# Altium PCB PCBSensorboard.PcbDoc (part 2 of 2)
Units mm, origin at the board's own origin, x right, y up, seen from the top; angles counter-clockwise.
Board outline 90 x 90 mm, 4 copper layers (Top Layer, GND, VDD, Bottom Layer), stack 1.369 mm thick; 83 components, 72 nets, 342 pads, 169 vias.
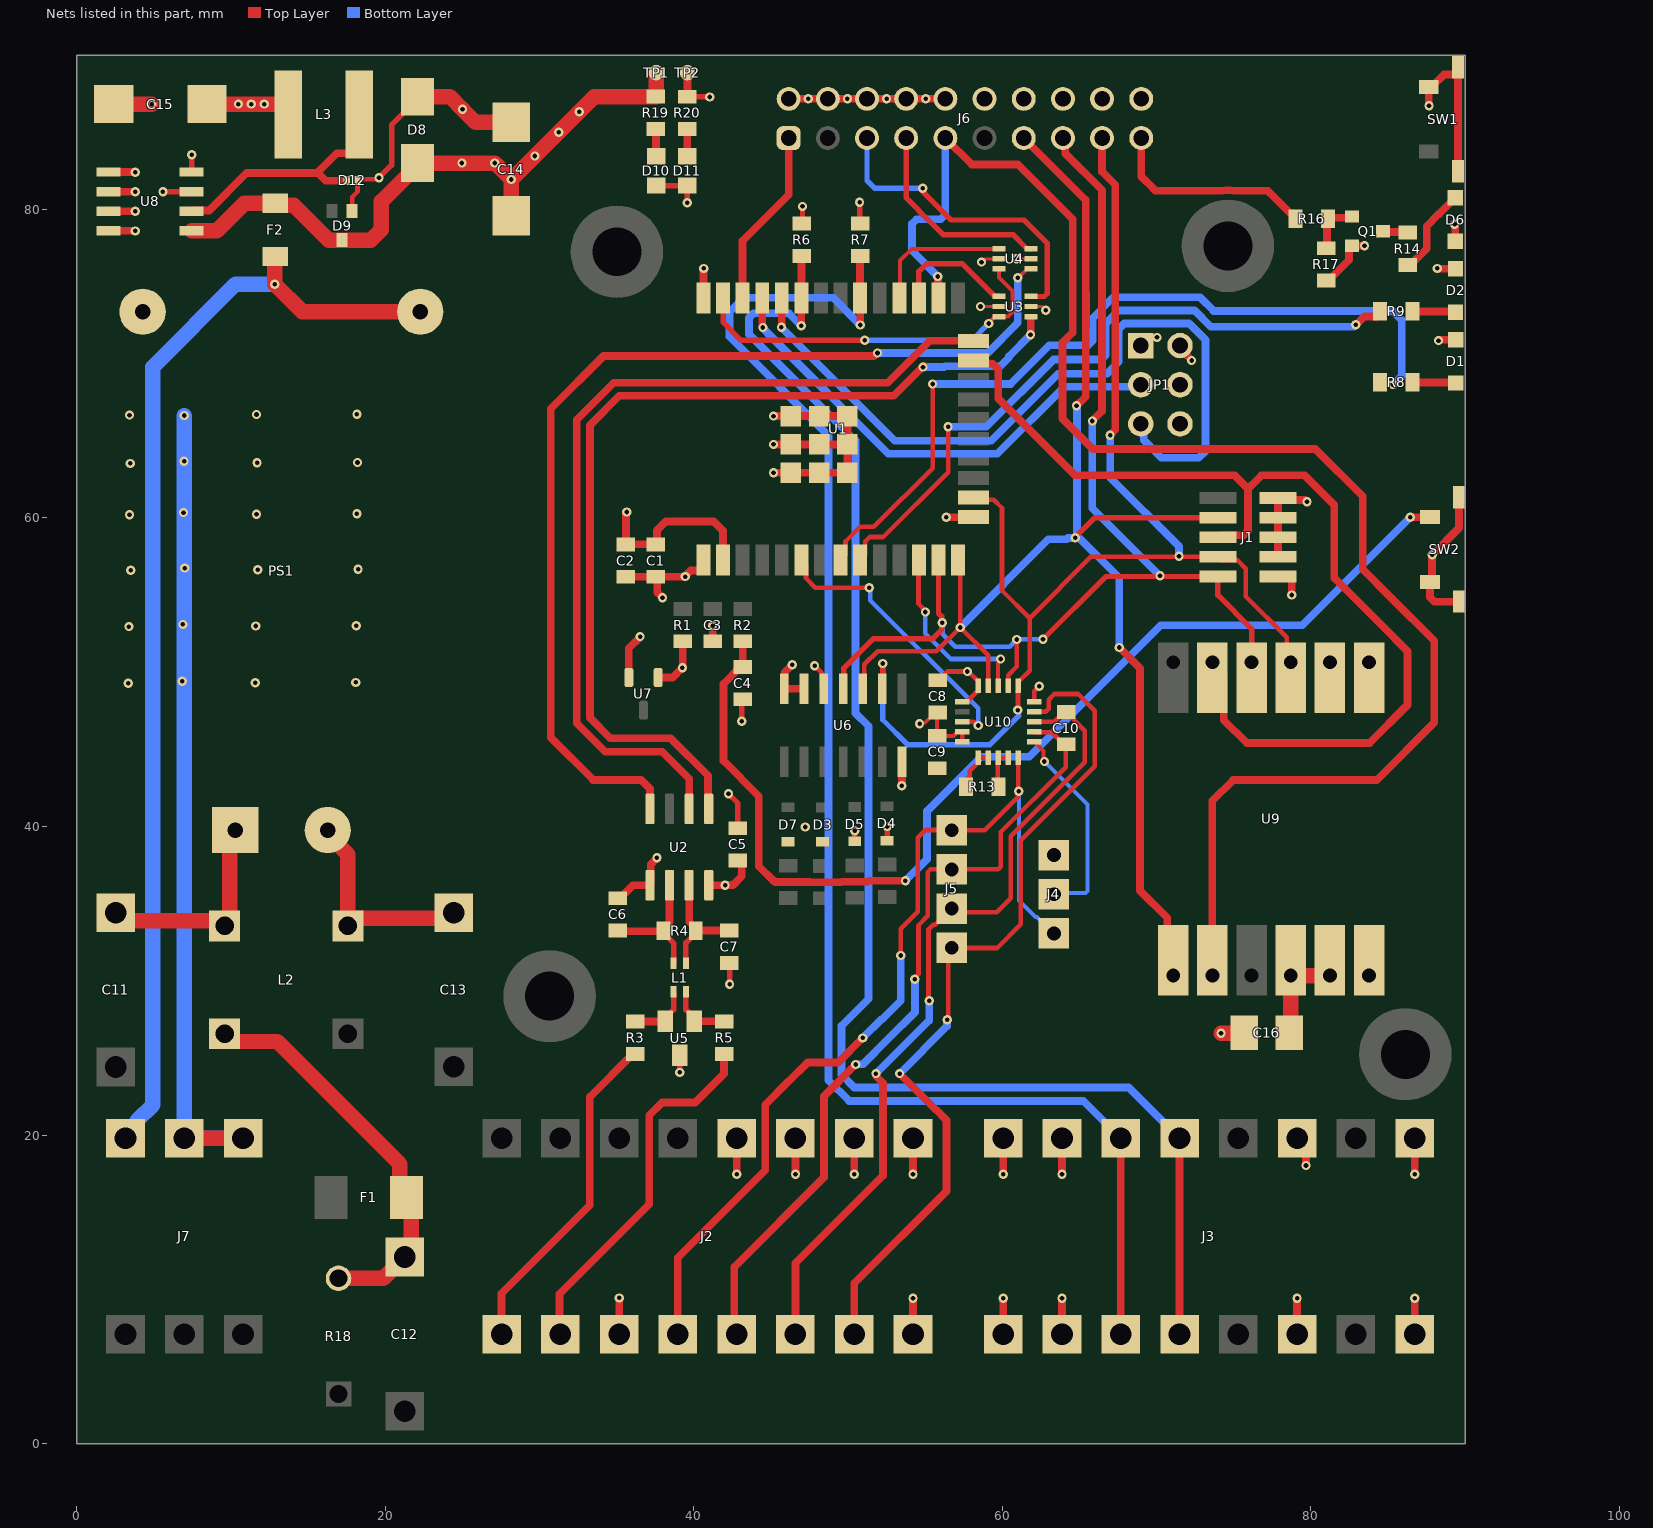
[diagram p4: the nets of this part, all layers, seen from the top]

## Via types
v1: diameter 0.6, hole 0.3, Top Layer to Bottom Layer, tented both sides, 169 vias

## Nets (pads, with @x,y where several pads share a name; then routed paths per layer and width w, separated by ;. In a path a pad name is that pad's centre, name@x,y a point inside that pad or via, vN(x,y) a via of type N, cw(c..) or ccw(c..) an arc to the next point about the centre after c; other vN are vias at no path point) (continued)
ESP32-U2-DTR: J6.9 U1.26 U9.2 | length 102.5
  Top Layer w0.5: v1(55.8,75.655) 55.819,75.636 55.819,74.306 U1.26@55.855,74.27 ; J6.9@56.3,84.63 58.01,82.92 61,82.92 64.55,79.37 64.55,74.205 64.56,74.195 64.56,72.745 64.55,72.735 64.55,72.03 63.89,71.37 63.89,66.44 65.86,64.47 80.284,64.47 83.35,61.404 83.35,56.68 85.216,54.814 87.99,52.04 87.99,46.74 84.26,43.01 74.95,43.01 73.61,41.67 U9.2@73.61,30.33
  Bottom Layer w0.5: v1(55.8,75.655) 54.14,77.315 54.14,79.077 54.433,79.37 56.007,79.37 56.3,79.663 J6.9@56.3,84.63
ESP32-U2-RTS: J6.1 U1.36 | length 11.6
  Top Layer w0.5: U1.36@43.155,74.27 43.155,77.975 46.14,80.96 J6.1@46.14,84.63
ESP32-U2-RXD: J6.5 U3.3 | length 20.7
  Top Layer w0.35: v1(54.836,81.379) 54.836,81.134 56.65,79.32 61.396,79.32 62.915,77.801 62.915,74.565 62.71,74.36 U3.3@61.851,74.36
  Bottom Layer w0.35: J6.5@51.22,84.63 51.22,81.87 51.711,81.379 v1(54.836,81.379)
ESP32-U2-TXD: J6.7 U4.3 | length 13.3
  Top Layer w0.35: J6.7@53.76,84.63 53.76,80.767 54.572,79.955 54.572,79.943 56.145,78.37 60.689,78.37 61.609,77.45 U4.3@61.85,77.45
FORCE2: J4.2 U10.FORCE2 | length 13.4
  Top Layer w0.254: U10.FORCE2@62.066,45.496 62.666,44.896 62.666,44.267 v1(62.718,44.215)
  Bottom Layer w0.254: v1(62.718,44.215) 65.52,41.413 65.52,35.829 65.371,35.68 63.4,35.68 J4.2@63.33,35.61
FORCE+: J2.12 J4.3 J5.4 U10.FORCE+ | length 59.9
  Top Layer w0.3: v1(53.41,31.64) 53.41,33.376 54.508,34.475 54.508,39.278 55,39.77 J5.4@56.36,39.77 ; J5.4@56.71,39.76 58.86,39.76 61.005,41.905 61.005,42.224 v1(61.062,42.281) ; v1@61.02,42.281 U10.FORCE+@61.02,44.45
  Top Layer w0.5: J2.12@38.96,7.08 38.96,12.05 44.62,17.71 44.62,21.97 46.13,23.48 46.15,23.48 47.37,24.7 49.347,24.7 v1(50.944,26.296)
  Bottom Layer w0.254: v1(61.062,42.281) 61.062,35.212 62.132,34.142 62.248,34.142 63.321,33.07 J4.3@63.33,33.07
  Bottom Layer w0.5: v1(50.944,26.296) 52.16,27.513 52.213,27.513 53.41,28.71 v1(53.41,31.64)
FORCE-: J2.15 J5.1 U10.FORCE- | length 56.4
  Top Layer w0.3: v1(56.42,27.48) 56.477,27.537 56.477,31.907 J5.1@56.71,32.14 ; J5.1@56.71,32.122 59.652,32.122 61.19,33.66 61.19,39.105 65.99,43.905 65.99,47.51 64.91,48.59 63.36,48.59 62.991,48.221 62.991,47.621 62.816,47.446 U10.FORCE-@62.066,47.446
  Top Layer w0.5: J2.15@50.39,7.08 50.39,10.38 56.37,16.36 56.37,20.959 55.699,21.63 55.681,21.63 v1(53.331,23.98)
  Bottom Layer w0.5: v1(53.331,23.98) 56.401,27.05 56.401,27.461 v1(56.42,27.48)
GND: C1.1 C2.1 C3.1 C4.1 C5.2 C6.2 C7.2 C8.2 C9.2 C14.2 C15.2 C16.2 D1.2 D2.2 D3.1 D4.1 D5.1 D7.1 D8.1 D9.1 D10.2 D11.2 D12.1 J1.3 J1.5 J1.7 J1.9 J2.8 J2.11 J2.16 J3.2 J3.6 J3.8 J3.10 J3.14 J3.16 J4.1 J6.12 J6.14 J6.16 J6.18 J6.20 J7.2 J7.3 JP1.1 JP1.6 PS1.3 Q1.2 R17.2 SW1.2 SW1.3 SW1.4 SW2.1 SW2.3 SW2.4 U1.1 U1.15 U1.38 U1.39 U2.5 U3.2 U4.2 U5.3 U6.7 U6.12 U7.2 U8.4 U8.5 U8.6 U8.7 U8.8 U9.6 U9.7 U9.8 U10.DGND U10.GND1 U10.GND2 | length 197.5
  Top Layer w0.2: v1(60.91,76.8) U4.2@61.85,76.8 ; U3.2@61.851,73.71 62.57,73.71 v1(62.81,73.47)
  Top Layer w0.3: D9.1@17.84,79.91 17.84,80.81 18.19,81.16 D12.1@18.19,81.88 18.19,81.91 18.24,81.96 19.399,81.96 19.499,82.06 v1(19.58,82.06) ; C14.2@28.065,85.55 C14.2@28.16,85.645 ; v1(47.82,50.424) 48.277,49.967 48.277,49.054 U6.12@48.406,48.924 ; C8.2@55.79,49.48 55.94,49.48 56.24,49.78 56.24,49.874 56.416,50.05 57.79,50.05 58.42,49.42 58.42,48.82 U10.GND1@57.721,48.121 ; U10.GND1@57.396,48.096 57.696,48.096 U10.GND1@57.721,48.121 ; U10.GND2@62.066,48.096 62.066,48.776 v1(62.39,49.1) ; JP1.1@68.97,71.18 69.495,71.705 v1(70.023,71.705)
  Top Layer w0.35: U8.4@7.44,82.425 v1(7.44,83.54) ; v1(19.58,82.06) 20.399,82.879 20.399,85.489 22.07,87.16 D8.1@22.07,87.31 ; D10.2@37.55,81.55 D11.2@39.57,81.55 v1(39.57,80.43) ; v1(39.08,24.06) U5.3@39.08,25.18 ; v1(42.24,42.12) 42.84,41.52 C5.2@42.84,39.89 ; C7.2@42.3,31.16 42.31,31.15 v1(42.31,29.77) ; v1(43.1,46.82) 43.1,48.18 C4.1@43.17,48.25 ; v1(50.42,39.722) 50.423,39.719 50.423,39.038 D5.1@50.426,39.035 ; D4.1@52.506,39.088 52.52,39.101 52.52,39.986 v1(52.533,39.999) ; C16.2@75.63,26.59 C16.2@75.67,26.63
  Top Layer w0.5: U8.8@2.04,78.615 v1@3.785,78.615 ; U8.7@2.04,79.885 v1@3.785,79.885 ; U8.6@2.04,81.155 v1@3.785,81.155 ; U8.5@2.04,82.425 3.785,82.425 v1(3.79,82.42) ; C15.2@2.38,86.83 C15.2@2.4,86.81 ; C6.2@35.06,35.35 35.21,35.35 36.05,36.19 U2.5@37.15,36.19 37.195,36.235 37.195,37.538 37.6,37.943 v1(37.6,37.97) ; J2.11@35.15,7.08 35.16,7.09 v1(35.16,9.44) ; C2.1@35.59,56.19 C1.1@37.54,56.19 ; U7.2@35.78,49.66 35.78,51.555 36.51,52.285 v1(36.51,52.31) ; v1(37.96,54.83) 37.96,54.843 37.63,55.173 37.63,56.1 C1.1@37.54,56.19 ; U1.1@40.615,57.27 40.615,56.793 40.415,56.593 39.782,56.593 39.458,56.269 39.458,56.221 v1(39.439,56.201) 39.433,56.196 37.546,56.196 C1.1@37.54,56.19 ; U1.38@40.615,74.27 40.615,76.165 v1(40.63,76.18) ; v1(41.21,53.01) 41.215,53.005 41.215,52.015 C3.1@41.22,52.01 ; v1(45.16,62.935) U1.39@46.28,62.935 U1.39@48.115,62.935 U1.39@49.95,62.935 U1.39@49.95,64.77 ; v1(45.16,64.77) U1.39@46.28,64.77 U1.39@48.115,64.77 U1.39@49.95,64.77 ; v1(45.16,66.605) U1.39@46.28,66.605 U1.39@48.115,66.605 U1.39@49.95,66.605 U1.39@49.95,64.77 ; v1(53.48,42.65) 53.483,42.653 53.483,44.197 U6.7@53.486,44.2 ; J2.16@54.2,7.08 v1(54.2,9.41) ; v1(54.2,17.45) J2.8@54.2,19.78 ; v1(56.35,60.04) 56.357,60.047 58.117,60.047 U1.15@58.125,60.04 ; J3.10@63.86,7.08 v1(63.86,9.41) ; v1(63.86,17.45) J3.2@63.86,19.78 ; J1.3@77.86,57.48 J1.5@77.86,58.75 J1.7@77.86,60.02 J1.9@77.86,61.29 77.99,61.16 79.61,61.16 79.712,61.058 v1(79.739,61.058) ; J3.14@79.1,7.08 v1(79.1,9.41) ; J3.6@79.1,19.78 79.676,19.204 v1(79.676,18.026) ; R17.2@81.01,75.42 R17.2@80.98,75.39 81.13,75.39 82.47,76.73 82.47,77.49 82.62,77.64 Q1.2@82.67,77.64 83.46,77.64 v1(83.47,77.65) ; J3.16@86.72,7.08 v1(86.72,9.41) ; v1(86.72,17.45) J3.8@86.72,19.78 ; v1(87.65,86.72) 87.64,86.72 87.645,86.725 SW1.2@87.645,87.95 87.83,87.95 88.63,88.75 89.38,88.75 SW1.4@89.53,88.9 ; v1(88.19,76.18) 88.205,76.165 89.355,76.165 D2.2@89.37,76.15 ; v1(88.264,71.499) 88.315,71.55 D1.2@89.38,71.55 ; SW2.3@89.45,54.953 89.6,54.803 SW2.3@89.6,54.585 89.585,54.57 88.008,54.57 87.715,54.863 SW2.1@87.715,55.86 87.851,55.996 87.851,57.601 v1(87.87,57.62) 89.6,59.35 SW2.4@89.6,61.335 ; SW1.3@89.53,82.475 SW1.4@89.53,88.9 ; SW1.4@89.53,89.225 SW1.4@89.53,88.9
  Top Layer w1: C15.2@2.4,86.81 v1(4.86,86.81) ; J7.2@6.96,19.78 J7.3@10.77,19.78 ; D8.1@22.07,87.31 24.18,87.31 v1(25,86.49) 25.845,85.645 C14.2@28.16,85.645 ; v1(74.17,26.59) C16.2@75.63,26.59
  Bottom Layer w1: v1(6.96,66.64) J7.2@6.96,19.78 J7.3@10.77,19.78
  other v1: 47.22,39.97 6.83,49.42 57.73,50.05 6.87,53.1 6.99,56.75 6.91,60.35 6.95,63.68 3.79,78.61 3.79,79.88 3.79,81.15
I2C_1_SCL: J3.3 J3.11 R7.1 U1.30 | length 99.8
  Top Layer w0.5: U1.30@50.775,74.27 50.77,74.275 50.77,76.893 R7.1@50.857,76.98 ; v1@50.784,72.514 U1.30@50.784,74.279 ; J3.11@67.67,7.08 J3.3@67.67,19.78
  Bottom Layer w0.5: v1(50.781,72.511) 49.023,74.27 43.22,74.27 42.31,73.36 42.31,71.76 48.72,65.35 48.72,23.548 50.058,22.21 65.24,22.21 J3.3@67.67,19.78
I2C_1_SDA: J3.4 J3.12 R6.1 U1.33 | length 97.7
  Top Layer w0.5: v1(46.96,72.46) 46.962,72.463 46.962,74.268 U1.33@46.965,74.27 ; U1.33@46.977,74.283 R6.1@46.977,76.967 ; J3.12@71.48,7.08 J3.4@71.48,19.78
  Bottom Layer w0.5: v1(46.96,72.46) 46.18,73.24 46.18,73.28 43.863,73.28 43.57,72.987 43.57,71.92 50.47,65.02 50.47,47.356 51.32,46.506 51.32,28.842 49.57,27.092 49.57,23.9 50.39,23.08 68.18,23.08 J3.4@71.48,19.78
JTG_TCK: J1.4 J6.17 U1.16 U6.9 U9.9 U10.SDI | length 85
  Top Layer w0.3: U1.16@58.125,61.325 58.275,61.175 59.445,61.175 59.97,60.65 59.97,55.3 61.76,53.51 ; v1(60.991,47.547) 61.01,47.566 61.01,48.795 61.02,48.805 61.02,49.42 61.045,49.445 61.105,49.445 61.76,50.1 61.76,53.51 ; U9.9@78.69,50.65 78.424,50.916 78.424,52.256 75.77,54.91 75.77,56.722 75.217,57.275 74.165,57.275 J1.4@73.96,57.48 71.449,57.48 65.73,57.48 61.76,53.51
  Top Layer w0.35: U6.9@52.216,48.924 52.229,48.937 52.229,50.557 v1(52.241,50.57)
  Top Layer w0.5: J6.17@66.46,84.63 66.46,82.452 67.31,81.602 67.31,65.727 66.98,65.397 v1(66.98,65.37)
  Bottom Layer w0.35: v1(52.241,50.57) 52.241,46.921 53.873,45.29 59.17,45.29 61.064,47.184 61.039,47.21 61.039,47.499 v1(60.991,47.547)
  Bottom Layer w0.5: v1(66.98,65.37) 66.98,62.62 71.449,58.151 v1(71.449,57.524)
JTG_TDI: J1.8 J6.13 U1.14 U6.10 U9.1 U10.SD0 | length 97.3
  Top Layer w0.3: U6.10@50.946,48.924 51.051,49.029 51.051,50.511 51.91,51.37 54.18,51.37 ; 54.19,51.36 55.72,51.36 v1(57.26,52.9) ; U1.14@57.125,57.27 57.26,57.135 v1(57.26,52.9) ; U10.SD0@59.07,49.12 59.07,51.09 v1(57.26,52.9) ; U9.1@70.35,29.61 U9.1@71.07,30.33
  Top Layer w0.35: v1(64.715,58.72) 66.015,60.02 J1.8@73.96,60.02
  Top Layer w0.5: J6.13@61.38,84.63 65.4,80.61 65.4,74.557 65.41,74.547 65.41,72.393 65.4,72.383 65.4,67.87 v1(64.8,67.27) ; v1(67.566,51.608) 68.92,50.253 68.92,35.829 70.676,34.073 70.676,30.724 U9.1@71.07,30.33
  Bottom Layer w0.5: v1(57.26,52.9) 62.98,58.62 64.165,58.62 64.246,58.701 64.696,58.701 v1(64.715,58.72) ; v1(64.8,67.27) 64.819,67.251 64.819,67.18 64.83,67.169 64.83,58.859 67.566,56.123 v1(67.566,51.608)
JTG_TDO: J1.6 U1.23 U9.11 | length 66.5
  Top Layer w0.5: U1.23@58.125,70.215 58.325,70.015 59.148,70.015 59.168,69.995 59.374,69.995 59.725,69.644 59.725,67.745 64.7,62.77 75.04,62.77 75.92,61.89 ; U9.11@73.61,50.65 74.351,49.909 74.351,46.899 75.83,45.42 83.805,45.42 86.261,47.876 86.261,51.365 84.586,53.04 81.51,56.116 81.51,60.84 79.58,62.77 76.8,62.77 76.55,62.52 75.92,61.89 ; J1.6@73.96,58.75 74.09,58.88 75.627,58.88 75.92,59.173 75.92,61.89
JTG_TMS: J1.2 J6.15 U1.13 U6.11 U9.10 U10.SCLK | length 75.4
  Top Layer w0.3: U10.SCLK@60.37,49.12 60.37,49.809 60.935,50.374 60.935,52.115 v1(60.93,52.12)
  Top Layer w0.35: U6.11@49.676,48.924 49.7,48.948 49.7,50.25 51.62,52.17 55.47,52.17 56.072,52.772 56.072,53.182 v1(56.1,53.21) 56.052,53.258 56.052,53.618 55.855,53.815 U1.13@55.855,57.27 ; v1(62.63,52.14) 66.7,56.21 70.21,56.21 J1.2@73.96,56.21 73.96,55 76.15,52.81 U9.10@76.15,50.65
  Top Layer w0.5: J6.15@63.92,84.63 64.078,84.472 64.078,83.632 66.46,81.25 66.46,67.59 66.45,67.58 66.45,66.92 65.83,66.3 v1(65.83,66.29)
  Bottom Layer w0.3: v1(56.1,53.21) 56.142,53.168 56.142,52.46 56.942,51.66 60.47,51.66 60.94,52.13 62.62,52.13 v1(62.63,52.14)
  Bottom Layer w0.5: v1(65.83,66.29) 65.83,60.63 v1(70.21,56.25)
LED_Blue: R9.2 U1.9 | length 44.8
  Top Layer w0.3: U1.9@50.775,57.27 51.095,57.59 51.095,58.477 51.388,58.77 52.275,58.77 56.475,62.97 v1(56.475,65.91)
  Top Layer w0.5: v1(82.898,72.52) 82.925,72.52 83.465,73.06 84.28,73.06 84.48,73.26 R9.2@84.48,73.41
  Bottom Layer w0.5: v1(56.475,65.91) 58.952,65.91 63.312,70.27 66.402,70.27 66.695,70.563 66.695,72.606 67.544,73.455 72.452,73.455 73.504,72.404 82.754,72.404 82.87,72.52 v1(82.898,72.52)
LED_Green: R8.2 U1.8 | length 53.9
  Top Layer w0.3: U1.8@49.505,57.27 49.825,57.59 49.825,58.477 50.768,59.42 51.655,59.42 55.47,63.235 v1(55.47,68.69) ; R8.2@84.48,68.81 84.641,68.649 v1(85.305,68.649)
  Bottom Layer w0.5: v1(55.47,68.69) 60.53,68.69 63.04,71.2 65.552,71.2 65.845,71.493 65.845,72.958 67.192,74.305 72.804,74.305 73.687,73.422 85.288,73.422 85.88,72.83 85.88,69.224 v1(85.305,68.649)
LTE_NETLIGHT: J6.19 R16.2 | length 13.7
  Top Layer w0.5: J6.19@69,84.63 69,82.14 69.774,81.366 69.92,81.22 74.241,81.22 cw(c74.62,77.64) 74.999,81.22 77.18,81.22 77.326,81.074 78.65,79.75 78.8,79.75 79,79.55 R16.2@79,79.4
MAX31865_RTD_CS: U1.12 U10.CS | length 12.3
  Top Layer w0.254: U10.CS@59.72,49.12 59.72,50.606 59.88,50.766 v1(59.88,50.86)
  Top Layer w0.3: U1.12@54.585,57.27 54.56,57.245 54.56,54.432 55.006,53.986 v1(55.006,53.905)
  Bottom Layer w0.3: v1(55.006,53.905) 55.006,52.514 56.66,50.86 v1(59.88,50.86)
MODBUS_*RE: U1.24 U2.2 | length 58.2
  Top Layer w0.5: U2.2@39.69,41.14 39.69,43.1 37.94,44.85 34.25,44.85 32.41,46.69 32.41,66.366 34.814,68.77 52.562,68.77 55.277,71.485 U1.24@58.125,71.485
Modbus_A: J2.9 R3.1 | length 21.8
  Top Layer w0.5: J2.9@27.53,7.08 27.53,9.73 33.25,15.45 33.25,22.46 36.04,25.25 R3.1@36.19,25.25
Modbus_B: J2.10 R5.1 | length 23.9
  Top Layer w0.5: J2.10@31.34,7.08 31.29,7.13 31.29,9.7 37.1,15.51 37.1,21.269 37.941,22.11 40.088,22.11 41.95,23.972 R5.1@41.95,25.26
MODBUS_D: U2.4 U4.1 | length 67
  Top Layer w0.254: v1(61,75.58) 61.039,75.58 61.609,76.15 U4.1@61.85,76.15
  Top Layer w0.5: U2.4@37.15,41.14 37.15,42.44 36.57,43.02 33.46,43.02 30.71,45.77 30.71,67.07 34.14,70.5 51.678,70.5 51.873,70.695 v1(51.9,70.695)
  Bottom Layer w0.5: v1(51.9,70.695) 59.045,70.695 61,72.65 v1(61,75.58)
MODBUS_R: U2.1 U3.1 | length 62.7
  Top Layer w0.5: U2.1@40.96,41.14 40.915,41.185 40.915,43.295 38.482,45.728 34.574,45.728 33.26,47.042 33.26,66.014 35.166,67.92 52.95,67.92 54.893,69.863 54.893,69.828 v1(54.848,69.784) ; v1(61.82,71.88) 61.836,71.896 U3.1@61.836,72.988
  Bottom Layer w0.5: v1(54.848,69.784) 56.206,69.784 56.267,69.845 59.845,69.845 60.43,70.43 60.43,70.49 v1(61.82,71.88)
MUX/DEMUX_SELECTOR: U1.37 U3.6 U4.6 | length 24.8
  Top Layer w0.254: v1(59.107,72.61) 59.107,72.64 59.527,73.06 U3.6@59.769,73.06 59.771,73.063 60.362,73.063 60.643,73.344 60.643,74.726 60.209,75.16 60.202,75.16 59.767,75.594 U4.6@59.767,76.15
  Top Layer w0.35: U1.37@41.885,74.27 41.885,72.695 43.06,71.52 v1(51.08,71.52)
  Bottom Layer w0.35: v1(51.08,71.52) 58.017,71.52 v1(59.107,72.61)
NetC4_2: C4.2 R2.1 SW2.2 | length 71.7
  Top Layer w0.5: R2.1@43.16,52.01 43.165,52.005 43.165,50.355 C4.2@43.17,50.35 43.02,50.35 41.92,49.25 41.92,44.25 44.2,41.97 44.2,37.43 45.13,36.5 45.171,36.5 45.266,36.405 47.466,36.405 47.476,36.395 49.545,36.395 49.578,36.427 51.275,36.427 51.325,36.478 v1(53.708,36.478) ; v1(86.44,60.04) 86.45,60.05 87.705,60.05 SW2.2@87.715,60.06
  Bottom Layer w0.5: v1(53.708,36.478) 55.11,37.879 55.11,40.999 58.626,44.515 61.746,44.515 70.271,53.04 79.44,53.04 v1(86.44,60.04)
NetC6_1: C6.1 L1.2 R4.1 U2.6 | length 8.5
  Top Layer w0.35: R4.1@38.02,33.25 38.02,33.1 38.68,32.44 L1.2@38.68,31.125
  Top Layer w0.5: C6.1@35.06,33.25 35.1,33.21 37.98,33.21 37.98,33.36 38.42,33.8 U2.6@38.42,36.19
NetC7_1: C7.1 L1.1 R4.2 U2.7 | length 7.7
  Top Layer w0.35: L1.1@39.48,31.125 39.48,32.46 40.12,33.1 R4.2@40.12,33.25 R4.2@40.13,33.26
  Top Layer w0.5: U2.7@39.69,36.19 39.69,33.83 40.12,33.4 R4.2@40.12,33.25 ; R4.2@40.13,33.26 C7.1@42.3,33.26
NetC11_2: C11.2 L2.3 PS1.1 | length 13.9
  Top Layer w1: C11.2@2.51,34.41 3.04,33.88 9.25,33.88 L2.3@9.57,33.56 9.915,33.905 9.915,39.425 PS1.1@10.26,39.77
NetC12_2: C12.2 F1.2 L2.4 R18.2 | length 25.9
  Top Layer w1: L2.4@9.57,26.56 10.07,26.06 12.99,26.06 20.939,18.111 20.939,16.386 21.672,15.653 21.672,12.387 C12.2@21.538,12.387 ; R18.2@16.96,10.71 19.86,10.71 C12.2@21.24,12.09
NetC13_1: C13.1 L2.2 PS1.2 | length 14
  Top Layer w1: PS1.2@16.26,39.77 16.26,39.494 17.57,38.184 L2.2@17.57,33.56 18.06,34.05 24.07,34.05 C13.1@24.44,34.42
NetD1_1: D1.1 R8.1 | length 2.8
  Top Layer w0.5: R8.1@86.58,68.81 86.61,68.78 89.35,68.78 D1.1@89.38,68.75
NetD2_1: D2.1 R9.1 | length 2.8
  Top Layer w0.5: R9.1@86.58,73.41 86.61,73.38 89.34,73.38 D2.1@89.37,73.35
NetD6_2: D6.2 R14.1 | length 5.7
  Top Layer w0.5: R14.1@86.29,76.4 86.44,76.4 87.5,77.46 87.5,78.92 88.29,79.71 88.32,79.71 D6.2@89.36,80.75
NetD10_1: D10.1 R19.1 | length 1.8
  Top Layer w0.5: R19.1@37.54,85.22 37.545,85.215 37.545,83.455 D10.1@37.55,83.45
NetD11_1: D11.1 R20.1 | length 1.8
  Top Layer w0.5: D11.1@39.57,83.45 39.575,83.455 39.575,85.205 R20.1@39.58,85.21
NetD12_2: D12.2 L3.2 U8.2 | length 16.6
  Top Layer w0.5: U8.2@7.44,79.885 7.49,79.935 8.575,79.935 11.01,82.37 15.627,82.37 ; 15.58,82.37 16.85,83.64 17.65,83.64 18.3,84.29 L3.2@18.3,86.17 ; 15.669,82.329 16.137,81.86 D12.2@17.44,81.86
NetL1_3: L1.3 R3.2 U5.2 | length 4.4
  Top Layer w0.35: U5.2@38.13,27.38 38.13,27.58 38.68,28.13 L1.3@38.68,29.275
  Top Layer w0.5: R3.2@35.83,27.35 R3.2@36.19,27.35 36.205,27.365 38.115,27.365 U5.2@38.13,27.38
NetL1_4: L1.4 R5.2 U5.1 | length 4.4
  Top Layer w0.35: L1.4@39.48,29.275 39.48,28.13 40.03,27.58 U5.1@40.03,27.38
  Top Layer w0.5: U5.1@40.03,27.38 40.04,27.37 41.94,27.37 R5.2@41.95,27.36 R5.2@42.31,27.36
NetQ1_1: Q1.1 R16.1 R17.1 | length 3.6
  Top Layer w0.5: R17.1@80.98,77.49 81.04,77.55 81.04,79.34 R16.1@81.1,79.4 81.17,79.47 82.6,79.47 Q1.1@82.67,79.54
NetQ1_3: Q1.3 R14.2 | length 1.7
  Top Layer w0.5: Q1.3@84.67,78.59 84.715,78.545 86.245,78.545 R14.2@86.29,78.5
NetR13_1: R13.1 U10.BIAS U10.REFIN+ | length 2.5
  Top Layer w0.3: R13.1@57.58,42.95 57.88,43.25 57.88,43.61 58.42,44.15 U10.BIAS@58.42,44.45 ; U10.BIAS@58.44,44.47 U10.REFIN+@59.07,44.47
NetR13_2: R13.2 U10.ISENSOR U10.REFIN- | length 2.2
  Top Layer w0.3: R13.2@59.7,42.95 59.7,44.3 59.72,44.28 U10.REFIN-@59.72,44.45 U10.ISENSOR@60.37,44.45
RTD_2: C10.2 J2.13 J5.3 U10.RTDIN+ | length 52.5
  Top Layer w0.3: v1(54.31,30.09) 54.31,30.17 54.56,30.42 54.56,33.607 55.158,34.205 55.158,37.044 55.334,37.22 59.714,37.22 59.89,37.396 59.89,39.643 64.1,43.853 64.1,45.3 C10.2@64.13,45.33 63.98,45.33 63.189,46.121 62.328,46.121 62.326,46.123 62.089,46.123 U10.RTDIN+@62.066,46.146
  Top Layer w0.5: J2.13@42.77,7.08 42.62,7.23 42.62,11.44 48.43,17.25 48.43,22.51 v1(50.495,24.575)
  Bottom Layer w0.5: v1(50.495,24.575) 50.512,24.592 50.962,24.592 52.604,26.234 54.329,27.959 54.329,30.071 v1(54.31,30.09)
RTD_3: C10.1 J2.14 J5.2 U10.RTDIN- | length 53.5
  Top Layer w0.3: v1(55.248,28.697) 55.21,28.735 55.21,33.338 55.503,33.631 55.651,33.631 56.701,34.68 J5.2@56.71,34.68 56.94,34.45 59.637,34.45 60.54,35.353 60.54,39.374 65.34,44.174 65.34,46.22 64.15,47.41 63.96,47.41 63.345,46.796 U10.RTDIN-@62.066,46.796
  Top Layer w0.5: J2.14@46.58,7.08 46.58,11.69 52.25,17.36 52.25,23.37 51.817,23.803 51.817,23.961 v1(51.797,23.98)
  Bottom Layer w0.5: v1(51.797,23.98) 55.248,27.431 v1(55.248,28.697)
RTD_DRDY: U1.6 U10.DRDY | length 18.7
  Top Layer w0.3: U1.6@46.965,57.27 47.265,56.97 47.265,56.083 47.871,55.477 v1(51.37,55.477) ; U10.DRDY@57.396,46.796 58.127,46.796 58.389,46.534 58.404,46.549 v1(58.426,46.549)
  Bottom Layer w0.3: v1(51.37,55.477) 51.427,55.419 51.427,54.653 58.426,47.654 v1(58.426,46.549)
RXD0: JP1.5 U1.34 | length 50.3
  Top Layer w0.5: v1(45.67,72.367) 45.695,72.392 U1.34@45.695,74.27
  Bottom Layer w0.5: v1(45.67,72.367) 53.027,65.01 59.275,65.01 63.625,69.36 66.78,69.36 67.545,70.125 67.545,72.254 67.896,72.605 72.1,72.605 72.935,71.77 72.936,71.769 73.16,71.545 73.16,64.34 72.73,63.91 70.3,63.91 69.154,65.056 69.154,65.916 JP1.5@68.97,66.1
RXD_2: U1.27 U3.4 | length 8
  Top Layer w0.35: U1.27@54.585,74.27 54.585,75.985 55.08,76.48 57.407,76.48 59.525,74.363 59.766,74.363 U3.4@59.769,74.36
TXD0: JP1.3 U1.35 | length 31.7
  Top Layer w0.5: U1.35@44.425,74.27 44.422,74.267 44.422,72.42 44.47,72.372 v1(44.47,72.345)
  Bottom Layer w0.5: v1(44.47,72.345) 44.47,72.318 44.77,72.018 44.77,71.995 52.605,64.16 59.67,64.16 64.02,68.51 68.84,68.51 JP1.3@68.97,68.64
TXD_2: U1.28 U4.4 | length 9.2
  Top Layer w0.254: U1.28@53.315,74.27 53.35,74.305 53.35,76.68 54.12,77.45 U4.4@59.767,77.45
VDD3.3: C1.2 C2.2 C5.1 C8.1 C9.1 C15.1 C16.1 D6.1 J1.1 J2.5 J2.6 J3.1 J3.9 JP1.2 L3.1 R1.2 R6.2 R7.2 R20.2 TP2.1 U1.2 U2.8 U3.5 U4.5 U6.13 U6.14 U7.1 U8.3 U9.4 U9.5 U10.DVDD U10.VDD | length 62.6
  Top Layer w0.2: v1(58.58,73.71) U3.5@59.769,73.71 ; v1(58.64,76.59) 58.85,76.8 U4.5@59.767,76.8
  Top Layer w0.254: v1(54.63,46.66) 54.696,46.726 54.986,46.726 55.317,47.057 55.64,47.38 C8.1@55.79,47.38 55.77,47.36 C9.1@55.77,45.88 56.831,45.88 57.096,46.146 U10.DVDD@57.396,46.146
  Top Layer w0.3: U10.VDD@57.396,45.496 U10.DVDD@57.396,46.146
  Top Layer w0.35: v1(5.574,81.154) U8.3@7.44,81.155 ; R20.2@39.58,87.31 39.59,87.3 41.01,87.3 v1(41.02,87.29) ; U1.2@41.882,57.268 U1.2@41.885,57.27 ; R6.2@46.99,79.08 47.04,79.13 v1(47.04,80.2) ; v1(50.74,80.47) 50.74,79.12 R7.2@50.78,79.08
  Top Layer w0.5: v1(35.65,60.39) 35.65,60.363 35.59,60.303 C2.2@35.59,58.29 C1.2@37.54,58.29 37.6,58.35 37.6,59.187 38.183,59.77 41.28,59.77 41.885,59.165 U1.2@41.885,57.27 ; U7.1@37.68,49.66 38.623,49.66 v1(39.253,50.289) 39.253,50.316 39.28,50.344 R1.2@39.28,52.01 ; R20.2@39.58,87.31 TP2.1@39.58,88.86 ; U2.8@40.96,36.19 v1(42.02,36.19) 42.039,36.209 42.539,36.209 43.099,36.769 43.099,37.531 C5.1@42.84,37.79 ; v1(42.77,17.45) J2.5@42.77,19.78 ; v1(46.37,50.48) 45.896,50.006 45.896,48.954 U6.14@45.866,48.924 U6.13@47.136,48.924 ; v1(46.58,17.45) J2.6@46.58,19.78 ; J3.9@60.05,7.08 v1(60.05,9.41) ; v1(60.05,17.45) J3.1@60.05,19.78 ; JP1.2@71.51,71.18 71.51,70.987 72.26,70.237 v1(72.26,70.21) ; J1.1@77.86,56.21 78.63,56.21 78.76,56.08 v1(78.76,55.01) ; v1(89.31,79.04) 89.31,79.013 89.36,78.963 D6.1@89.36,77.95
  Top Layer w1: C15.1@8.43,86.83 v1(10.47,86.83) v1(11.3,86.83) v1(12.15,86.83) 13.3,86.83 13.7,86.43 L3.1@13.7,86.17 ; C16.1@78.69,26.63 U9.4@78.69,30.33 U9.5@81.23,30.33
  other v1: 3.33,49.28 11.56,49.32 18.07,49.34 3.37,52.96 11.6,53 18.11,53.02 3.49,56.61 11.72,56.65 18.23,56.67 3.41,60.21 11.64,60.25 18.15,60.27 3.45,63.54 11.68,63.58 18.19,63.6 3.41,66.67 11.64,66.71 18.15,66.73
VDD5.0: C14.1 D8.2 D9.2 F2.2 J2.7 J6.2 J6.4 J6.6 J6.8 J6.10 JP1.4 R19.2 TP1.1 U8.1 | length 54.5
  Top Layer w0.5: J6.2@45.856,87.17 J6.2@46.14,87.17 J6.4@48.68,87.17 J6.6@51.22,87.17 J6.8@53.76,87.17 J6.10@56.3,87.17 J6.10@56.3,87.087 ; v1(50.39,17.45) J2.7@50.39,19.78
  Top Layer w1: U8.1@7.44,78.615 9.065,78.615 10.855,80.405 F2.2@12.87,80.405 12.995,80.28 14.05,80.28 16.32,78.01 D9.2@17.19,78.01 19.054,78.01 19.74,78.696 19.74,80.53 22.07,82.86 D8.2@22.07,83.01 v1(24.96,83.01) v1(27.09,83.01) v1(28.16,81.94) ; C14.1@28.16,79.595 v1(28.16,81.94) ; TP1.1@37.55,88.87 37.545,88.865 37.545,87.325 R19.2@37.54,87.32 33.55,87.32 28.17,81.94 v1(28.16,81.94)
  other v1: 29.69,83.47 31.23,85 32.57,86.34 47.41,87.17 49.95,87.17 52.49,87.17 55.03,87.17
VIN5.0_FromAC: F2.1 J7.1 PS1.4 | length 72.9
  Top Layer w1: F2.1@12.87,76.955 12.82,76.905 v1(12.82,75.16) 14.61,73.37 PS1.4@22.26,73.37
  Bottom Layer w1: J7.1@3.15,19.78 3.9,20.53 3.9,20.94 4.92,21.96 4.92,69.79 10.29,75.16 v1(12.82,75.16)
pads on no net: D9.3 J1.10 SH-J1.0 SH-J2.0 U1.17 U1.18 U1.19 U1.20 U1.21 U1.22 U1.32 U6.5 U6.6 U7.3 U9.3 U10.NC

## Polygon pours and split planes (outlines as drawn)
GND on Top Layer "GND_L01_P005" (solid, pour order 5): 67.3,73.34 67.3,61.01 67.54,60.77 80.3,60.77 80.32,60.79 80.32,73.34 89.49,73.34 89.49,0.51 29.87,0.51 29.29,1.09 29.29,23.12 30.37,24.2 32.84,24.2 35.07,26.43 35.07,31.94 33.3,33.71 30.77,33.71 30.37,34.11 30.37,69.5 29.43,70.44 25.712,70.44 25.741,73.34
VDD3.3 on Top Layer "VDD3.3_L01_P012" (solid, pour order 12): 0.54,89.46 0.54,46.29 26.73,46.29 26.73,69.88 20.02,69.88 19.2,70.7 19.2,89.471
VDD5.0 on Top Layer "VDD5.0_L01_P004" (solid, pour order 4): 67.49,73.49 67.49,61.55 68.25,60.79 80.32,60.79 80.32,73.49 89.47,73.49 89.47,89.47 20.13,89.431 20.13,74.49 21.13,73.49
VDD3.3 on Bottom Layer "VDD3.3_L04_P014" (solid, pour order 14): 13.74,89.468 16.558,89.468 13.74,86.65 13.74,78.24 17.115,74.905 17.115,69.735 23.6,63.25 23.6,46.29 0.54,46.29 0.54,89.46
no net on Bottom Layer "NONET_L04_P011" (solid, pour order 11): 29.9,0.52 29.32,1.1 29.32,23.13 30.4,24.21 32.87,24.21 35.1,26.44 35.1,31.95 33.33,33.72 30.8,33.72 29.86,34.66 29.86,70.05 29.46,70.45 25.742,70.45 89.52,70.45 89.52,0.52
VDD5.0 on Bottom Layer "VDD5.0_L04_P010" (solid, pour order 10): 20.16,76.5 16.65,80.01 16.65,85.3 18.67,87.32 20.16,87.32 20.16,89.44 89.48,89.48 89.48,70.53 20.16,70.53
VDD3.3 on VDD (split plane): 232 vertices, not listed, extent 0.51,0.51 89.49,89.49
VDD5.0 on VDD (split plane): 57.158,83.42 57.167,83.322 57.196,83.228 57.242,83.141 57.305,83.065 58.325,82.045 58.401,81.982 58.488,81.936 58.582,81.907 58.68,81.898 60.902,81.898 62.525,80.275 64.458,78.342 64.458,70.62 64.467,70.522 64.496,70.428 64.542,70.341 64.605,70.265 65.455,69.415 65.531,69.352 65.618,69.306 65.712,69.277 65.81,69.268 72.432,69.268 72.958,68.742 72.958,65.128 72.222,64.392 62.71,64.392 62.612,64.383 62.518,64.354 62.431,64.308 62.355,64.245 52.785,54.675 52.722,54.599 52.676,54.512 52.647,54.418 52.638,54.32 52.638,44.698 48.835,40.895 48.772,40.819 48.726,40.732 48.697,40.638 48.688,40.54 48.688,29.14 48.688,23.72 48.697,23.622 48.726,23.528 48.772,23.441 48.835,23.365 49.925,22.275 50.001,22.212 50.088,22.166 50.182,22.137 50.28,22.128 55.382,22.128 56.388,21.122 56.388,17.148 56.052,16.812 49.338,16.812 49.032,17.118 49.032,20.36 49.023,20.458 48.994,20.552 48.948,20.639 48.885,20.715 47.735,21.865 46.232,23.368 46.232,43.452 49.585,46.805 49.648,46.881 49.694,46.968 49.723,47.062 49.732,47.16 49.732,51.49 49.732,55.722 58.245,64.235 58.308,64.311 58.354,64.398 58.383,64.492 58.392,64.59 58.392,67.982 59.895,69.485 59.958,69.561 60.004,69.648 60.033,69.742 60.042,69.84 60.042,77.94 60.033,78.038 60.004,78.132 59.958,78.219 59.895,78.295 57.685,80.505 57.609,80.568 57.522,80.614 57.428,80.643 57.33,80.652 54.248,80.652 52.625,82.275 52.549,82.338 52.462,82.384 52.368,82.413 52.27,82.422 45.888,82.422 44.162,84.148 44.162,89.49 57.158,89.49
GND on GND (split plane): 89.49,28.85 82.44,28.85 82.44,21.65 89.49,21.65 89.49,0.51 34.03,0.51 34.03,46.26 29.857,46.26 29.851,68.538 29.852,68.673 29.85,68.69 29.851,68.707 29.846,68.74 29.843,68.772 29.838,68.789 29.836,68.806 29.767,69.073 29.761,69.089 29.757,69.105 29.743,69.136 29.732,69.167 29.723,69.181 29.716,69.197 29.58,69.436 29.57,69.451 29.562,69.466 29.541,69.491 29.522,69.518 29.51,69.53 29.499,69.543 29.305,69.739 29.292,69.75 29.28,69.763 29.253,69.782 29.228,69.803 29.213,69.811 29.199,69.821 28.961,69.96 28.945,69.967 28.931,69.976 28.9,69.988 28.87,70.001 28.853,70.005 28.837,70.012 28.571,70.083 28.554,70.086 28.538,70.091 28.505,70.094 28.472,70.1 28.455,70.099 28.438,70.101 28.162,70.101 28.145,70.099 28.128,70.1 28.096,70.094 28.063,70.091 28.046,70.086 28.029,70.083 27.763,70.012 27.747,70.005 27.731,70.001 27.701,69.988 27.67,69.976 27.655,69.967 27.64,69.96 27.401,69.821 27.387,69.811 27.372,69.803 27.347,69.782 27.32,69.763 27.309,69.75 27.295,69.739 27.101,69.543 27.091,69.53 27.078,69.518 27.059,69.491 27.038,69.466 27.03,69.451 27.02,69.436 26.884,69.197 26.877,69.181 26.868,69.167 26.857,69.136 26.843,69.105 26.84,69.089 26.834,69.073 26.765,68.806 26.762,68.789 26.757,68.772 26.754,68.74 26.749,68.707 26.75,68.69 26.748,68.673 26.75,68.537 26.756,46.26 0.51,46.26 0.51,89.49 31.65,89.49 31.65,73.74 38.46,73.74 38.46,89.49 71.3,89.49 71.3,74.2 77.91,74.2 77.91,89.49 89.49,89.49

## Other copper
GND (plane layer: these items are gaps in the copper):
  rectangle: 0,0 34.03,46.26
  rectangle: 71.3,74.2 77.91,90.06
  rectangle: 82.44,21.65 90.13,28.85
  rectangle: 31.65,73.74 38.46,90.09
VDD (plane layer: these items are gaps in the copper):
  rectangle: 0,0 34.03,46.26
  rectangle: 71.3,74.22 77.91,90.08
  rectangle: 31.65,73.74 38.46,90.09
  rectangle: 82.44,21.65 90.13,28.88
  lines w1: 43.66,90.02 43.66,83.99 43.66,83.94 45.68,81.92 52.27,81.92 54.04,80.15 57.33,80.15 59.54,77.94 59.54,69.84 57.89,68.19 57.89,64.59 49.23,55.93 49.23,51.49 49.23,47.16 45.75,43.68 ; 45.73,43.68 45.73,23.16 47.38,21.51 48.53,20.36 48.53,16.91 49.13,16.31 56.26,16.31 56.89,16.94 56.89,21.33 55.59,22.63 50.28,22.63 49.19,23.72 49.19,29.14 49.19,40.54 53.14,44.49 53.14,54.32 62.71,63.89 69.79,63.89 72.43,63.89 73.46,64.92 73.46,68.95 72.64,69.77 65.81,69.77 64.96,70.62 64.96,78.55 62.88,80.63 61.11,82.4 58.68,82.4 57.66,83.42 57.66,89.93

## Silkscreen, mask and mechanical layers (free items; w line width, h text height)
Bottom Overlay:
  drawing of 67 lines, arcs and shapes, not listed
  text "220VAC High Voltage" at 25.116,43.83 h3
  text "!!!!!!!! Beware !!!!!!!!" at 23.385,41.042 h3
Top Assembly:
  lines w0.2: 30.27,50.29 29.87,50.69 ; 30.27,51.09 29.87,50.69 ; 31.48,50.69 29.87,50.69
  lines w0.5: 27.26,68.54 cw(c28.3,68.55) 29.34,68.54 29.35,33.32 cw(c28.31,33.31) 27.27,33.32 27.26,68.54
  text "Board  / Cutout  / Slit" at 31.39,48.99 h0.8
Board Shape:
  the board outline again, w0.5

## Text inside footprints (layer, text, board x,y; h text height)
J1: Top Assembly "2" at 74.335,55.931 h0.8 r90; Top Assembly "3" at 80.279,57.175 h0.8 r90; Top Overlay "3" at 80.665,57.17 h1 r90; Top Overlay "2" at 71.993,55.705 h1 r90
U9: Top Assembly "NC" at 76.785,29.907 h0.8 r90; Top Assembly "MISO" at 71.68,29.907 h0.8 r90; Top Assembly "VCC" at 79.249,29.907 h0.8 r90; Top Assembly "VCC" at 81.789,29.907 h0.8 r90; Top Assembly "RST" at 74.22,29.907 h0.8 r90; Top Assembly "GND" at 84.329,29.907 h0.8 r90; Top Assembly "SCLK" at 76.785,46.493 h0.8 r90; Top Assembly "GND" at 84.329,47.763 h0.8 r90; Top Assembly "INT" at 71.68,47.974 h0.8 r90; Top Assembly "GND" at 81.789,47.763 h0.8 r90; Top Assembly "MOSI" at 79.249,46.916 h0.8 r90; Top Assembly "CS" at 74.22,49.032 h0.8 r90; Top Assembly "o" at 69.69,30.59 h0.8 r90